# Altium PCB DATN.PcbDoc
Units mil, origin at the board's own origin, x right, y up, seen from the top; angles counter-clockwise.
Board outline 3858.27 x 3790 mil, 2 copper layers (Top Layer, Bottom Layer); 59 components, 73 nets, 285 pads, 54 vias.
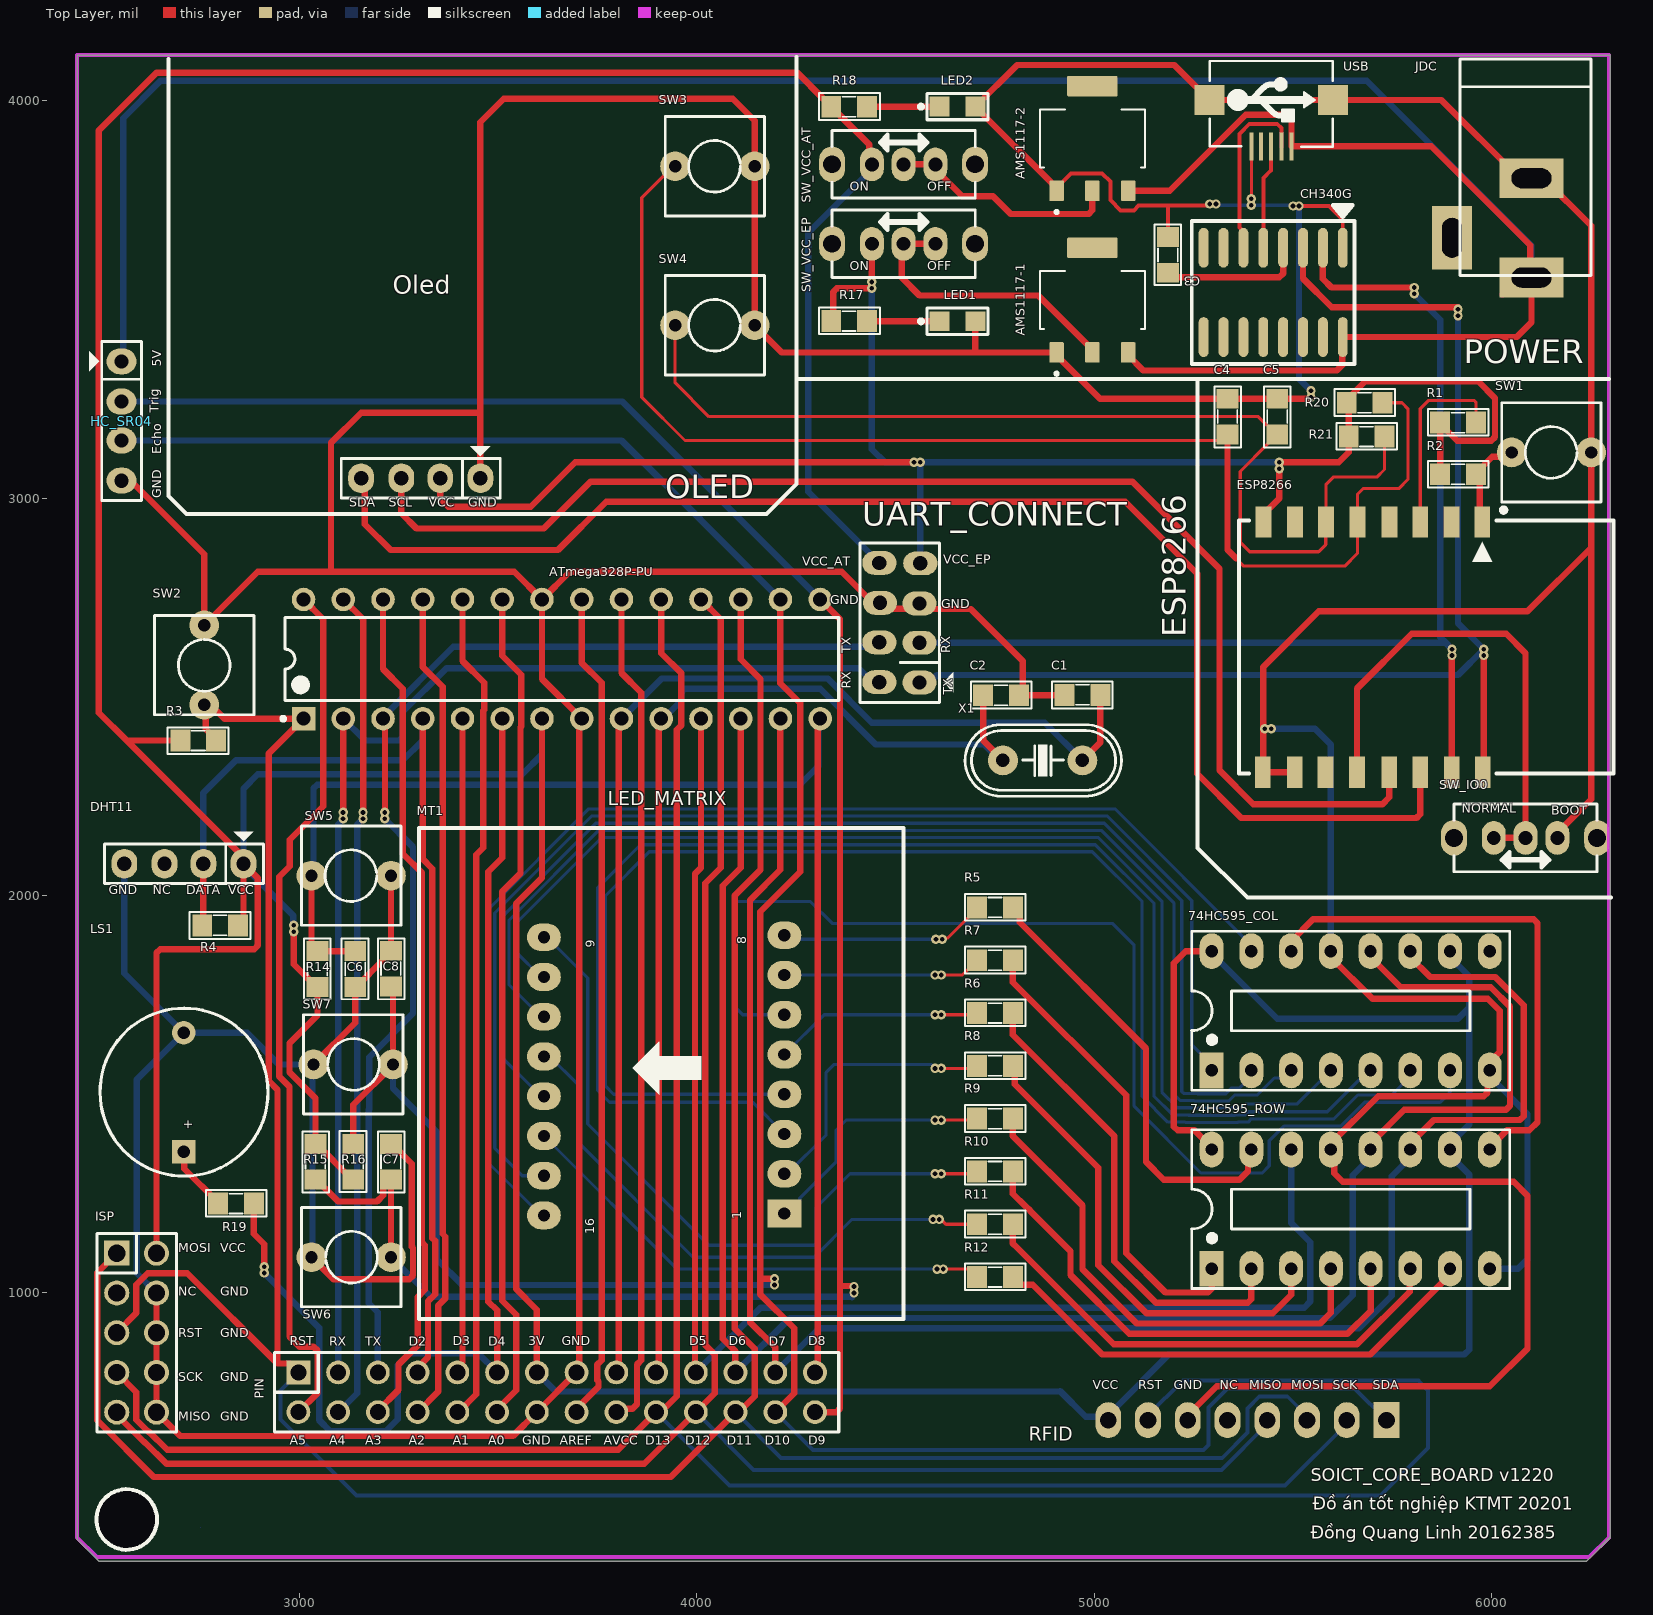
[diagram p0: Top Layer view]
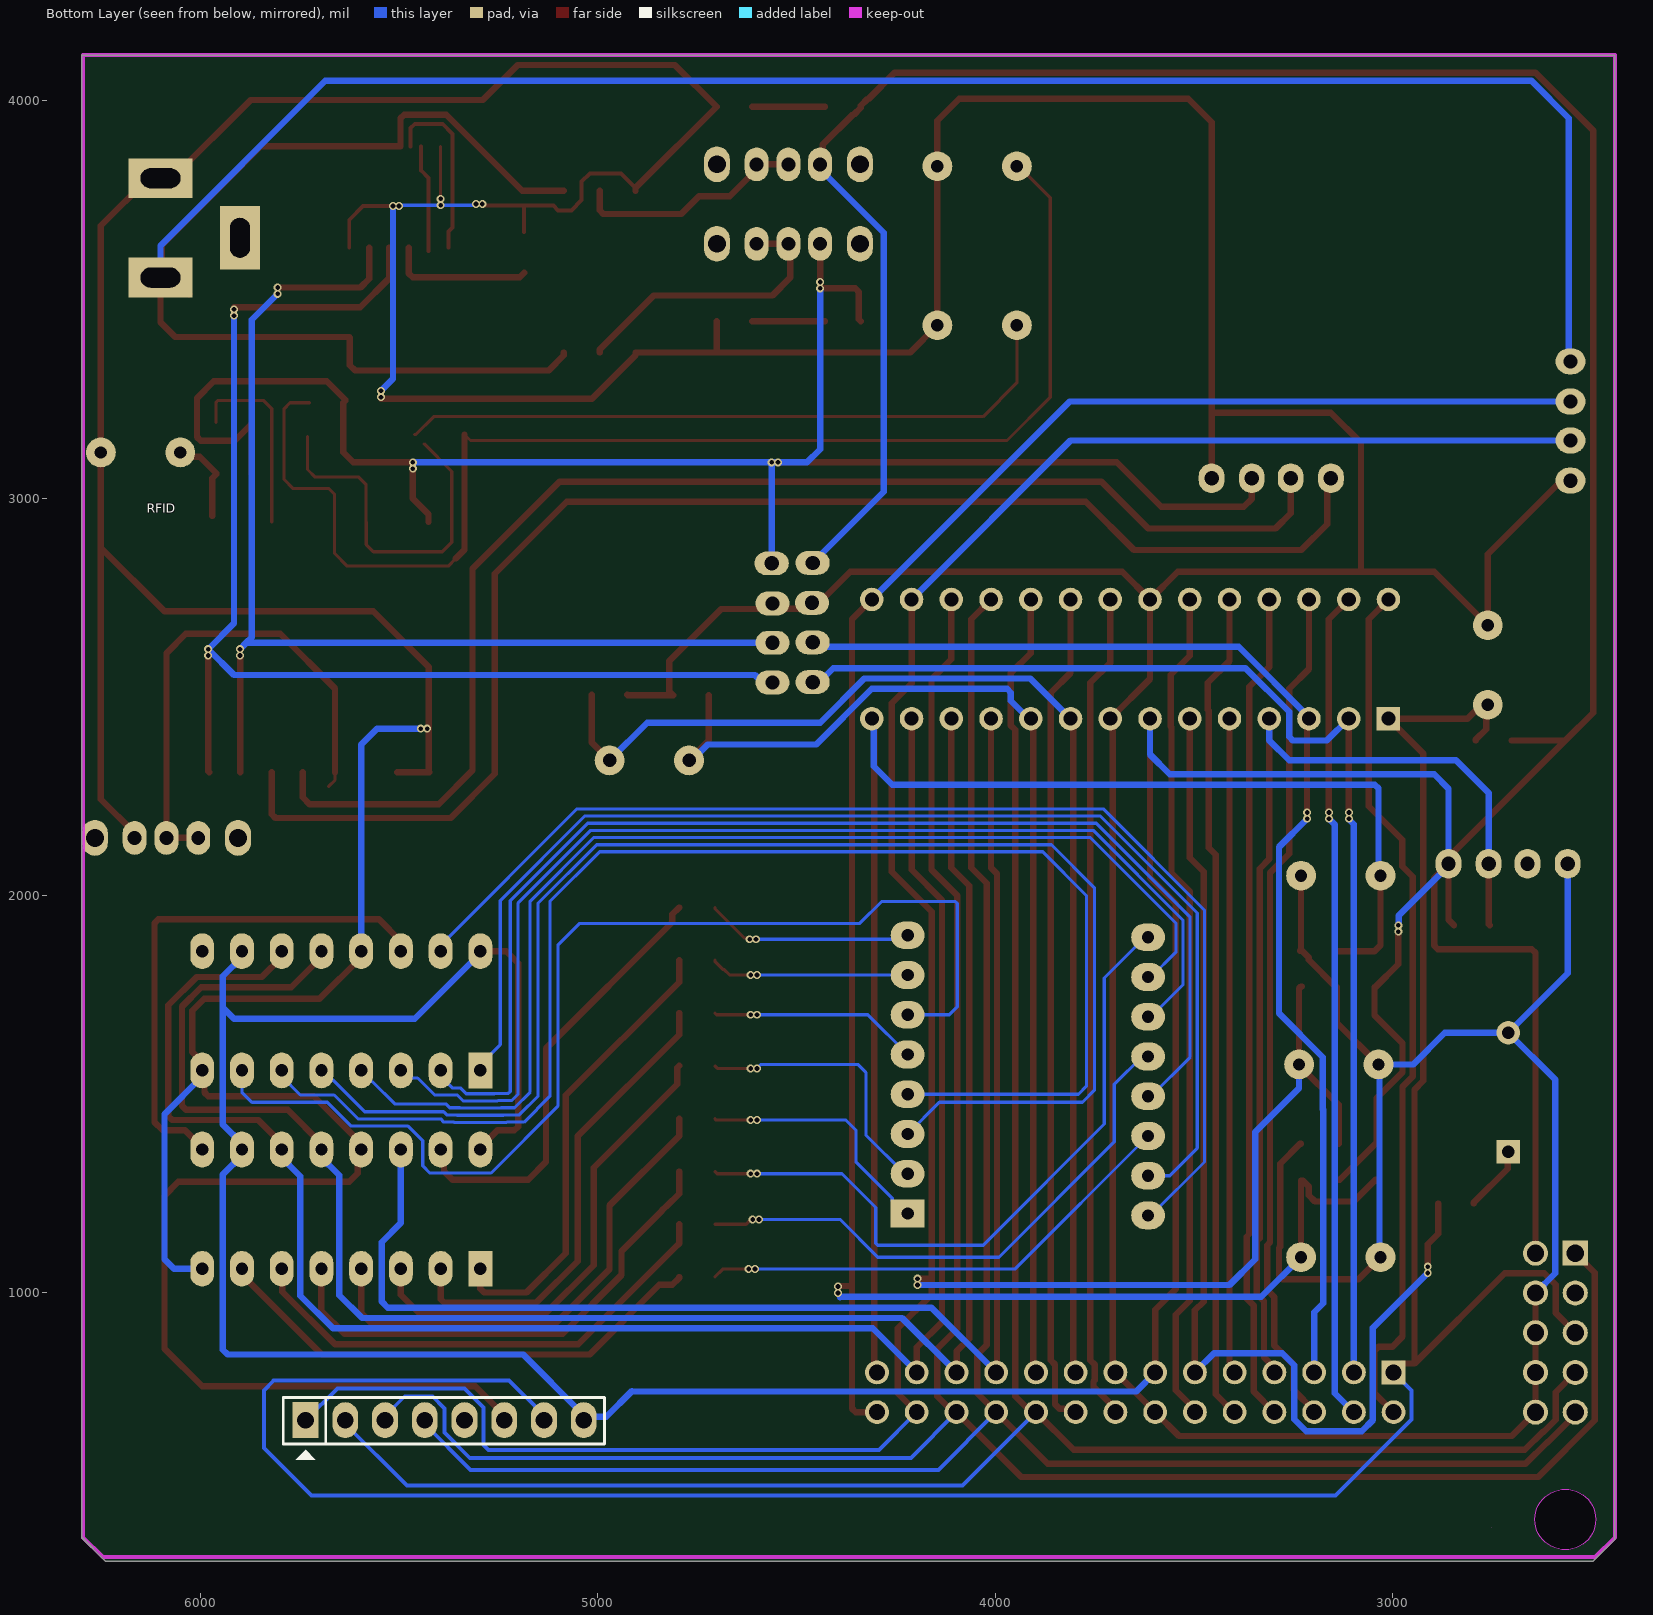
[diagram p1: Bottom Layer view, seen from below]
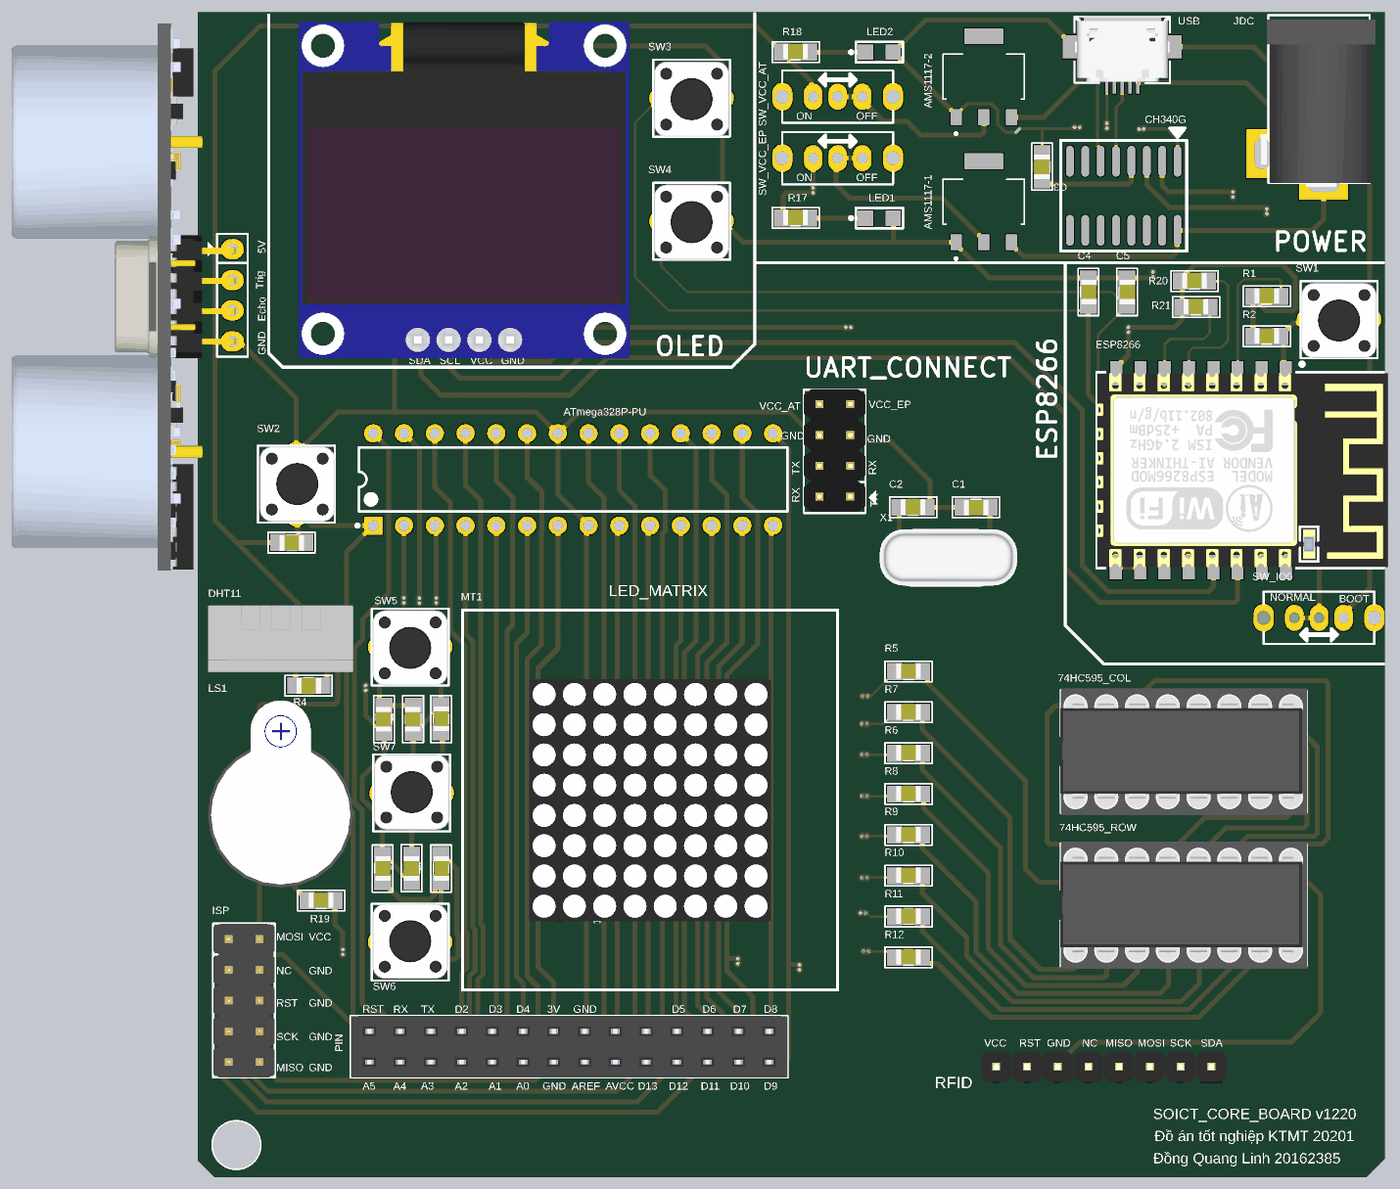
[diagram p2: 3D render of the assembled board from above, using the file's embedded part models]

## Layer stack, top to bottom
Top Solder: solder mask 0.4, Solder Resist, Dk 3.5
Top Layer: signal copper 1.4
Dielectric 1: dielectric 12.6, FR-4, Dk 4.8
Bottom Layer: signal copper 1.4
Bottom Solder: solder mask 0.4, Solder Resist, Dk 3.5

## Board outline
2440,465 2440,4115 6298.27,4115 6298.27,385 6238.27,325 2495,325 2440,380
cut-out: 2488.68,430 ccw(c2565,430) 2565,353.68 ccw(c2565,430) 2641.32,430 ccw(c2565,430) 2565,506.32 ccw(c2565,430)
cut-out: 2750,410

## Design rules (kind name [scope] priority, off if disabled: settings)
Clearance [All] p1: gap=10 ignorepadtopadclearanceinfootprint=FALSE except(0: Arc-Hole Track-Hole SMDPad-Hole THPad-Hole Via-Hole Fill-Hole Poly-Hole Region-Hole Text-Hole)
PolygonConnect [All] p1: connectstyle=Relief reliefconductorwidth=10 reliefentries=4 polygonreliefangle="90 Angle" airgapwidth=10
RoutingVias [All] p1: holewidth=28 width=50 viastyle="Through Hole" minholewidth=28 minwidth=50 maxholewidth=28 maxwidth=50
SolderMaskExpansion [All] p1: expansion=4 istentingtop=FALSE
Width [All] p1: maxlimit=16 minlimit=6 preferedwidth=16
30 further rules are at their usual default settings.

## Components (designator, comment, footprint, x,y, rotation, side; value= is the part's Value field where it differs from the comment)
74HC595_COL "74HC595" DIP16/W0.3 5295,1560 r0 top locked
74HC595_ROW "74HC595" DIP16/W0.3 5295,1060.89 r0 top locked
AMS1117-1 "" SOT229P700X180-4N 4995,3498.31 r90 top
AMS1117-2 "" SOT229P700X180-4N 4995,3905 r90 top
ATmega328P-PU "" 28P3 3660,2595 r90 top locked
C1 "103" SM-0805 4970,2505 r0 top
C2 "103" SM-0805 4765,2504 r180 top
C3 "103" SM-0805 5185,3612 r270 top
C4 "0.1uf" SM-0805 5335,3205 r90 top value=103
C5 "0.1uf" SM-0805 5460,3205 r90 top value=103
C6 "0.1uf" SM-0805 3140,1815 r270 top value=103
C7 "0.1uf" SM-0805 3230,1330 r90 top value=103
C8 "0.1uf" SM-0805 3230,1816 r90 top value=103
CH340G "CH340G" SO16 5450,3517.64 r270 top locked
DHT11 "JP4" "JP4 - DHT11" 2759,2080 r180 top locked
ESP8266 "ESP-12" ESP_12 5976.3,2939.92 r270 top locked
HC_SR04 "JP4" "JP4 -HC_SR04" 2552,3244 r270 top locked
ISP "USB_ISP" JP5-D2T 2590,900 r270 top locked
JDC "Jac DC" DC-IN 6000,3680 r270 top
LED1 "" LED0805 4655.56,3445 r0 top
LED2 "" LED0805 4655.56,3985 r0 top
LS1 "Speaker" SPEAKER 2709,1355 r90 top locked
MT1 "Matrix 8x8S" 8x8S 3925,1535 r90 top locked
Oled "JP4" JP4 3355,3050 r180 top locked
PIN "JP14x2" JP14-C2T 3647,750 r0 top locked
R1 "10K" SM-0805 5915,3190 r180 top value=1K
R2 "10K" SM-0805 5915,3060 r180 top value=1K
R3 "10K" SM-0805 2745,2390 r0 top value=1K
R4 "4.7K" SM-0805 2800,1925 r0 top value=1K
R5 "" SM-0805 4750,1970 r180 top value=1K
R6 "" SM-0805 4750,1704.29 r180 top value=1K
R7 "" SM-0805 4750,1837.14 r180 top value=1K
R8 "" SM-0805 4750,1571.43 r180 top value=1K
R9 "" SM-0805 4750,1438.57 r180 top value=1K
R10 "" SM-0805 4750,1305.71 r180 top value=1K
R11 "" SM-0805 4750,1172.86 r180 top value=1K
R12 "" SM-0805 4750,1040 r180 top value=1K
R14 "10K" SM-0805 3045,1815 r270 top value=1K
R15 "10K" SM-0805 3040,1330 r90 top value=1K
R16 "10K" SM-0805 3135,1330 r270 top value=1K
R17 "1K" SM-0805 4383,3445.44 r180 top
R18 "1K" SM-0805 4383,3985 r180 top
R19 "300" SM-0805 2840,1225 r180 top value=1K
R20 "10K" SM-0805 5680,3240 r180 top value=1K
R21 "10K" SM-0805 5685,3155 r180 top value=1K
RFID "JP8 PIN" "JP8 -RFIDv2" 5735,680 r180 bottom locked value=JP7
SW1 "SW" SW2 6050,3115 r0 top value="SW chip 2 pin"
SW2 "SW" SW2 2760,2480 r90 top value="SW chip 2 pin"
SW3 "SW" SW2 3945,3835 r0 top value="SW chip 2 pin"
SW4 "SW" SW2 3945,3435 r0 top value="SW chip 2 pin"
SW5 "SW" SW2 3030,2050 r0 top value="SW chip 2 pin"
SW6 "SW" SW2 3230,1090 r180 top value="SW chip 2 pin"
SW7 "SW" SW2 3235,1575 r180 top value="SW chip 2 pin"
SW_IO0 "SW102A" SW102 6005,2145 r0 top value="Switch 102 On Board"
SW_VCC_AT "SW102A" SW102 4600,3840 r180 top locked value="Switch 102 On Board"
SW_VCC_EP "SW102A" SW102 4600,3640 r180 top locked value="Switch 102 On Board"
UART_CONNECT "Connector 4x2" JP4x2 4510.5,2686.5 r90 top
USB "USB-5" USB-M1 5445,3885 r0 top
X1 "16Mhz" XT2 4870,2340 r180 top value=4Mhz

## Footprints (in the part's own frame and the unit in brackets; to place one, negate y for a bottom-side part, rotate by r counter-clockwise, add the part's x,y. Pads: shape width x height; smd on the part's side, far side on the other; paste and mask are expansions set on the pad)
8x8S [mil] "Matran 8x8, Body 60 X 60mm"
  rect 70x85 hole 31: 1(-335,-295)
  oval 70x85 hole 31: 2(-235,-295) 3(-135,-295) 4(-35,-295) 5(65,-295) 6(165,-295) 7(265,-295) 8(365,-295) 9(360,310) 10(260,310) 11(160,310) 12(60,310) 13(-40,310) 14(-140,310) 15(-240,310) 16(-340,310)
  silkscreen extent -600,-595 635,625, body extent -377,-379 410,409, height 354
28P3 [mm] "DIP, 28-Leads, Row Spacing 7.62mm, Pitch 2.54mm, Body 34.67x7.3mm"
  rect 1.5x1.5 hole 0.9: 1(-3.81,16.51)
  round 1.5 hole 0.9: 2(-3.81,13.97) 3(-3.81,11.43) 4(-3.81,8.89) 5(-3.81,6.35) 6(-3.81,3.81) 7(-3.81,1.27) 8(-3.81,-1.27) 9(-3.81,-3.81) 10(-3.81,-6.35) 11(-3.81,-8.89) 12(-3.81,-11.43) 13(-3.81,-13.97) 14(-3.81,-16.51) 15(3.81,-16.51) 16(3.81,-13.97) 17(3.81,-11.43) 18(3.81,-8.89) 19(3.81,-6.35) 20(3.81,-3.81) 21(3.81,-1.27) 22(3.81,1.27) 23(3.81,3.81) 24(3.81,6.35) 25(3.81,8.89) 26(3.81,11.43) 27(3.81,13.97) 28(3.81,16.51)
  silkscreen extent -3.93,-17.7 2.65,17.93, body extent -3.6,-17.65 3.6,17.65, height 4.58
DC-IN [mil] "Jac DC input"
  rect 100x160 hole 50 slot 100 at 90 deg: 1(125,100) 2(-125,100)
  rect 160x100 hole 50 slot 100 at 0 deg: 3(25,-100)
  silkscreen extent -425,-80 120,250, body extent -410,-105 134,269, height 434
DIP16/W0.3 [mil] "16 PIN, W 300mil, Pin to pin 100mil"
  rect 60x90 hole 31: 1(0,0)
  oval 60x90 hole 31: 2(100,0) 3(200,0) 4(300,0) 5(400,0) 6(500,0) 7(600,0) 8(700,0) 9(700,300) 10(600,300) 11(500,300) 12(400,300) 13(300,300) 14(200,300) 15(100,300) 16(0,300)
  silkscreen extent -50,-50 750,350, body extent -52,-57 752,356, height 299
ESP_12 [mm]
  rect 2x1 smd: 1(0,0) 2(0,-1.97) 3(0,-3.97) 4(0,-5.94) 5(0,-7.98) 6(0,-9.99) 7(0,-11.98) 8(0,-13.99) 9(16,-14.03) 10(16,-11.99) 11(16,-10.03) 12(16,-8.01) 13(16,-5.95) 14(16,-3.97) 15(16,-1.95) 16(16,0.03)
  silkscreen extent -0.91,-15.57 16.08,8.37, body extent 0,-15.56 16,8.44, height 3.15
JP4 [mil] "Jumper 4"
  oval 65x75 hole 36: 1(-100,0) 2(1,0) 3(99,0) 4(200,0)
  silkscreen extent -150,-81 250,50, body extent -487,-1034 587,60, height 165
"JP4 - DHT11" [mil] "Jumper 4"
  oval 65x75 hole 36: 1(-100,0) 2(1,0) 3(99,0) 4(200,0)
  silkscreen extent -150,-81 250,50, body extent -186,-105 286,112, height 611
"JP4 -HC_SR04" [mil] "Jumper 4"
  oval 65x75 hole 36: 1(-100,0) 2(1,0) 3(99,0) 4(200,0)
  silkscreen extent -150,-81 250,50, body extent -835,-720 945,11, height 215
JP4x2 [mil] "Connector 4x2"
  oval 60x86 hole 36: 1(-150.5,-49.5) 2(-50.5,-49.5) 3(48.5,-49.5) 4(149.5,-51.5) 5(-149.5,51.5) 6(-49.5,51.5) 7(50,50) 8(150.5,51.5)
  silkscreen extent -200,-135 200,101, body extent -197,-100 203,100, height 335
JP5-D2T [mm] "10 pins, dual pin, straight, gold plating"
  rect 1.6x1.6 hole 1.1: 1(-5.08,-1.27)
  round 1.6 hole 1.1: 2(-2.54,-1.27) 3(0,-1.27) 4(2.54,-1.27) 5(5.08,-1.27) 6(5.08,1.27) 7(2.54,1.27) 8(0,1.27) 9(-2.54,1.27) 10(-5.08,1.27)
  silkscreen extent -6.35,-2.54 6.35,2.54, body extent -6.35,-2.54 6.35,2.54, height 8.55
"JP8 -RFIDv2" [mil] "JP8"
  rect 65x90 hole 42: 1(0,0)
  oval 65x90 hole 42: 2(100,0) 3(200,0) 4(300,0) 5(400,0) 6(500,0) 7(600,0) 8(700,0)
  silkscreen extent -56,-100 752,57, body extent -400,-90 1138,2256, height 211
JP14-C2T [mm] "28 pins, dual row, straight, gold plating"
  rect 1.52x1.52 hole 1.02: 1(-16.51,1.27)
  round 1.52 hole 1.02: 2(-13.97,1.27) 3(-11.43,1.27) 4(-8.89,1.27) 5(-6.35,1.27) 6(-3.81,1.27) 7(-1.27,1.27) 8(1.27,1.27) 9(3.81,1.27) 10(6.35,1.27) 11(8.89,1.27) 12(11.43,1.27) 13(13.97,1.27) 14(16.51,1.27) 15(16.51,-1.27) 16(13.97,-1.27) 17(11.43,-1.27) 18(8.89,-1.27) 19(6.35,-1.27) 20(3.81,-1.27) 21(1.27,-1.27) 22(-1.27,-1.27) 23(-3.81,-1.27) 24(-6.35,-1.27) 25(-8.89,-1.27) 26(-11.43,-1.27) 27(-13.97,-1.27) 28(-16.51,-1.27)
  silkscreen extent -18.03,-2.54 18.03,2.54, body extent -18.03,-2.54 18.03,2.54, height 8.51
LED0805 [mil] "Chip Resistor; Body 2.0 x 1.3 mm (LxW typ)"
  rect 50x50 smd: 1(-45,0) 2(45,0)
  silkscreen extent -97,-33 77,33, body extent -60,-25 60,25, height 47
SM-0805 [mil] "Compoment SMD 80x50mil"
  rect 50x55 smd: 1(-45,0) 2(45,0)
  silkscreen extent -77,-34 76,33, body extent -40,-27 40,23, height 24
SO16 [mil]
  oval 100x25 smd: 1(-112.36,175) 2(-112.36,125) 3(-112.36,75) 4(-112.36,25) 5(-112.36,-25) 6(-112.36,-75) 7(-112.36,-125) 8(-112.36,-175) 9(112.36,-175) 10(112.36,-125) 11(112.36,-75) 12(112.36,-25) 13(112.36,25) 14(112.36,75) 15(112.36,125) 16(112.36,175)
  silkscreen extent -220,-205 180,205, body extent -137,-195 137,195, height 69
SOT229P700X180-4N [mm]
  rrect15% 1.31x0.93 smd: 1(-3.345,2.29) 2(-3.345,0) 3(-3.345,-2.29)
  rrect15% 1.31x3.24 smd: 4(3.345,0)
  silkscreen extent -4.8,-3.36 1.86,3.36
SPEAKER [mm]
  rect 1.5x1.5 hole 0.8: 1(0,0)
  round 1.5 hole 0.8: 2(7.62,0.013)
  silkscreen extent -1.55,-5.38 9.18,5.36, body extent -2.22,-6 13.24,6, height 4.5
SW2 [mil] "SW button 2pin, 250x 250 mil"
  round 75 hole 31: 1(0,0) 2(200,0)
  silkscreen extent -25,-125 225,125, body extent -22,-125 222,119, height 189
SW102 [mil] "Switch 102 On Board nho"
  oval 60x85 hole 35: 1(0,0) 2(80,0) 3(160,0)
  oval 65x90 hole 45: 4(260,0) 5(-100,0)
  silkscreen extent -100,-85 260,85
USB-M1 [mil]
  rect 10x70 smd: 1(51.18,0) 2(25.59,0) 3(0,0) 4(-25.59,0) 5(-50,0)
  rect 74.8x74.8 smd: 5(-155.51,116.84) 5(155.51,116.84)
  silkscreen extent -155,-1 155,215, body extent -157,5 158,218, height 107
XT2 [mil] "Footpin for Crystal 2 pin"
  round 75 hole 34: 1(-100,0) 2(100,0)
  silkscreen extent -198,-90 195,90, body extent -233,-93 213,90, height 138
